# Altium PCB Reefing.PcbDoc (part 1 of 2) (continued)
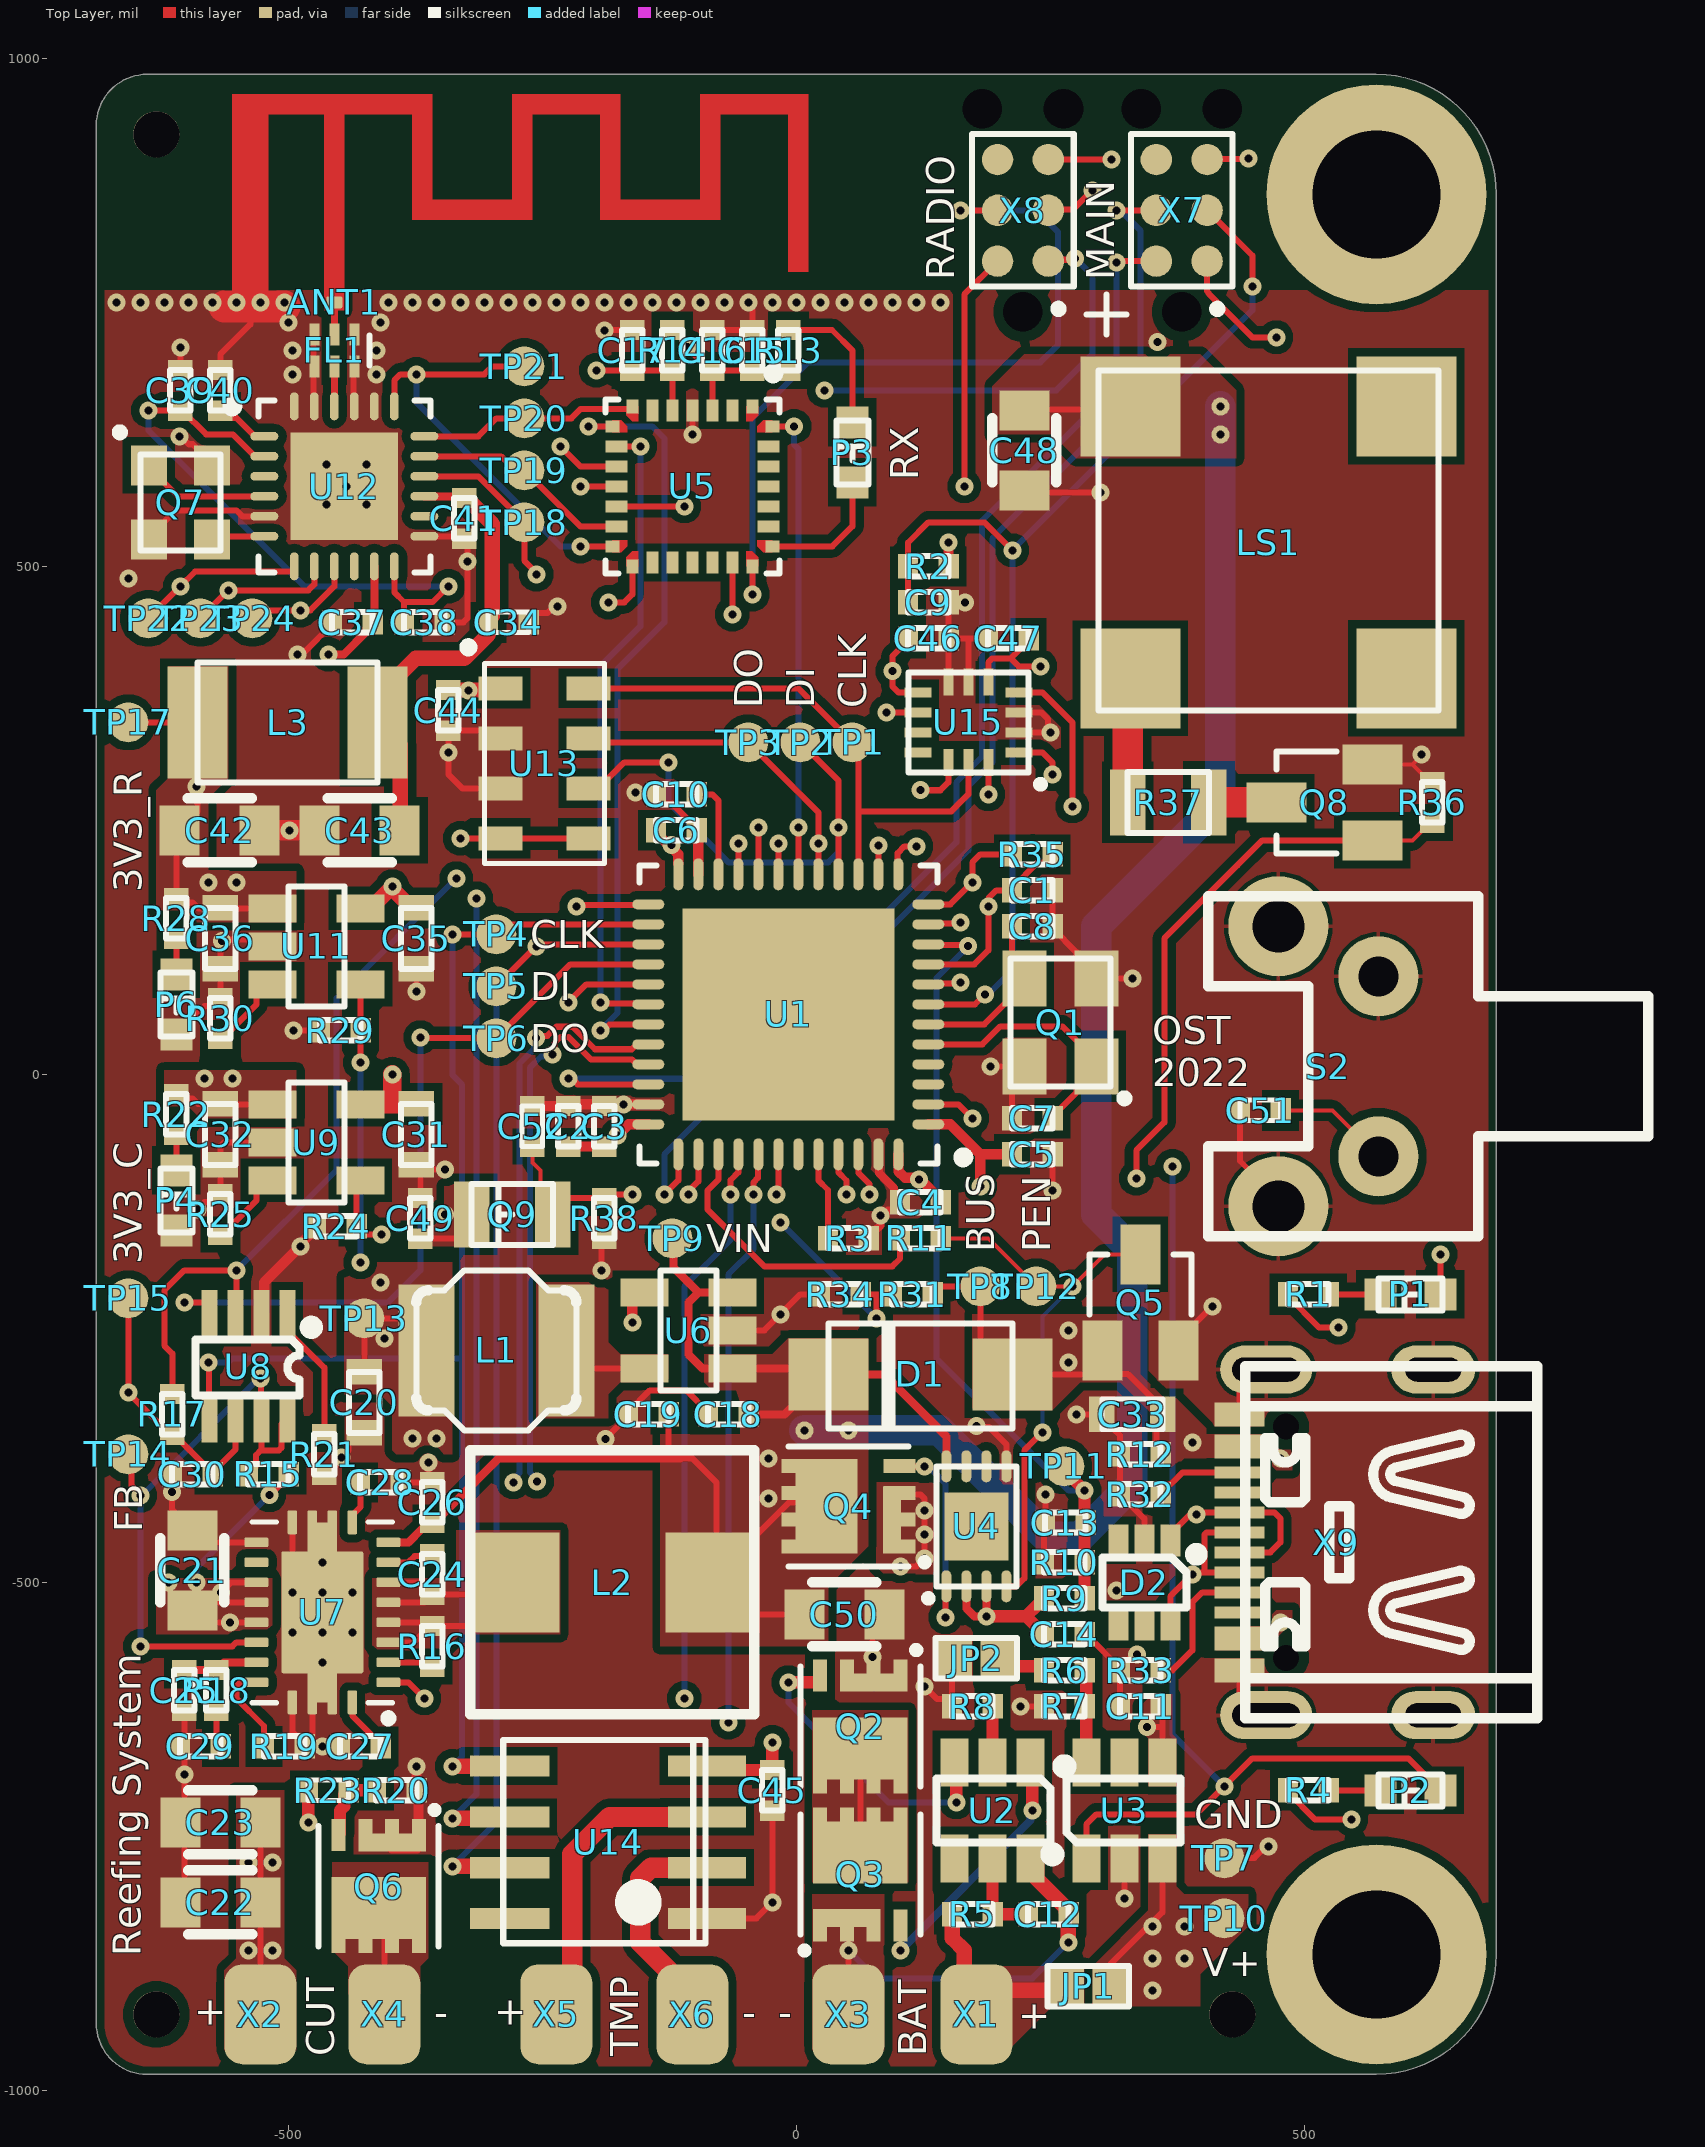
[diagram p0: Top Layer view]
## Components (designator, comment, footprint, x,y, rotation, side; value= is the part's Value field where it differs from the comment)
ANT1 "PCB Antenna" "SMD ANTENNA 2.4GHZ TI-AN043" -275.59,874.02 r0 top
C1 "1uF" "SMD Keramikkondensator 0402" 232.28,181.1 r180 top
C2 "100nF" "SMD Keramikkondensator 0402" -224.41,-51.18 r270 top
C3 "4.7uF" "SMD Keramikkondensator 0402" -188.98,-51.18 r270 top
C4 "100nF" "SMD Keramikkondensator 0402" 122.05,-125.98 r0 top
C5 "100nF" "SMD Keramikkondensator 0402" 232.28,-78.74 r180 top
C6 "100nF" "SMD Keramikkondensator 0402" -118.11,240.16 r180 top
C7 "10pF" "SMD Keramikkondensator 0402" 232.28,-43.31 r0 top
C8 "10pF" "SMD Keramikkondensator 0402" 232.28,145.67 r180 top
C9 "100nF" "SMD Keramikkondensator 0402" 129.92,464.57 r180 top
C10 "4.7uF" "SMD Keramikkondensator 0402" -118.11,275.59 r0 top
C11 "100nF" "SMD Keramikkondensator 0402" 338.58,-622.05 r0 top
C12 "100nF" "SMD Keramikkondensator 0402" 248.03,-826.77 r180 top
C13 "100nF" "SMD Keramikkondensator 0402" 264.76,-441.14 r0 top
C14 "100nF" "SMD Keramikkondensator 0402" 263.78,-551.18 r180 top
C15 "4.7uF" "SMD Keramikkondensator 0402" -43.31,712.6 r270 top
C16 "100nF" "SMD Keramikkondensator 0402" -82.68,712.6 r270 top
C17 "100nF" "SMD Keramikkondensator 0402" -161.42,712.6 r270 top
C18 "100nF" "SMD Keramikkondensator 0402" -66.93,-334.65 r0 top
C19 "2.2uF" "SMD Keramikkondensator 0402" -145.67,-334.65 r0 top
C20 "10uF" "SMD Keramikkondensator 0603" -425.2,-322.83 r90 top
C21 "22uF" "SMD KERAMIKKONDENSATOR 0805" -594.49,-488.19 r270 top
C22 "22uF" "SMD KERAMIKKONDENSATOR 0805" -566.93,-814.96 r0 top
C23 "22uF" "SMD KERAMIKKONDENSATOR 0805" -566.93,-736.22 r0 top
C24 "100nF" "SMD Keramikkondensator 0402" -358.27,-492.13 r270 top
C25 "220pF" "SMD Keramikkondensator 0402" -602.36,-606.3 r90 top
C26 "100nF" "SMD Keramikkondensator 0402" -358.27,-421.26 r270 top
C27 "2.2uF" "SMD Keramikkondensator 0402" -429.13,-661.42 r0 top
C28 "47nF" "SMD Keramikkondensator 0402" -409.45,-401.57 r180 top
C29 "2.2nF" "SMD Keramikkondensator 0402" -586.61,-661.42 r0 top
C30 "100nF" "SMD Keramikkondensator 0402" -594.49,-393.7 r0 top
C31 "10uF" "SMD Keramikkondensator 0603" -374.02,-59.06 r90 top
C32 "10uF" "SMD Keramikkondensator 0603" -566.93,-59.06 r90 top
C33 "10uF" "SMD Keramikkondensator 0603" 330.71,-334.65 r0 top
C34 "2.2uF" "SMD Keramikkondensator 0402" -283.46,444.88 r180 top
C35 "10uF" "SMD Keramikkondensator 0603" -374.02,133.86 r90 top
C36 "10uF" "SMD Keramikkondensator 0603" -566.93,133.86 r90 top
C37 "100nF" "SMD Keramikkondensator 0402" -437.01,444.88 r0 top
C38 "10nF" "SMD Keramikkondensator 0402" -366.14,444.88 r180 top
C39 "470nF" "SMD Keramikkondensator 0402" -606.3,673.23 r270 top
C40 "10nF" "SMD Keramikkondensator 0402" -566.93,673.23 r270 top
C41 "100nF" "SMD Keramikkondensator 0402" -326.77,547.24 r90 top
C42 "22nF" "SMD KERAMIKKONDENSATOR 0805" -567.56,240.16 r180 top
C43 "22nF" "SMD KERAMIKKONDENSATOR 0805" -429.76,240.16 r0 top
C44 "100nF" "SMD Keramikkondensator 0402" -342.52,358.27 r90 top
C45 "100nF" "SMD Keramikkondensator 0402" -23.62,-704.72 r90 top
C46 "100nF" "SMD Keramikkondensator 0402" 129.92,429.13 r180 top
C47 "100nF" "SMD Keramikkondensator 0402" 208.66,429.13 r0 top
C48 "22uF" "SMD KERAMIKKONDENSATOR 0805" 224.41,614.17 r90 top
C49 "100nF" "SMD Keramikkondensator 0402" -370.08,-141.73 r270 top
C50 "22uF" "SMD KERAMIKKONDENSATOR 0805" 47.24,-531.5 r180 top
C51 "10nF" "SMD Keramikkondensator 0402" 456.69,-35.43 r0 top
C52 "10nF" "SMD Keramikkondensator 0402" -259.84,-51.18 r270 top
D1 "SS54" "SMD Diode DO-214-AC" 122.05,-295.28 r0 top
D2 "PD4E1U06" "SMD IC SOT-363 (SC-70-6)" 342.52,-500 r90 top
FL1 "2450LP14A100T" "SMD Filter 2450LP14A100T" -454.72,712.6 r90 top
JP1 "Jumper" "SMD Solder Jumper 1x2mm" 287.4,-897.64 r180 top
JP2 "Jumper" "SMD Solder Jumper 1x2mm" 177.17,-574.8 r180 top
L1 "10µH" "SMD Inductor 4x4x1.8" -295.28,-271.65 r180 top
L2 "1.5µH" "SMD INDUCTOR 7.1X6.6" -181.1,-500 r180 top
L3 "100µH" "SMD Inductor 1812" -500.63,346.46 r0 top
LS1 "Buzzer" "SMD BUZZER CMT-8504" 464.57,523.62 r0 top
P1 "LED" "SMD LED 0603" 606.3,-216.54 r180 top
P2 "LED" "SMD LED 0603" 606.3,-704.72 r180 top
P3 "LED" "SMD LED 0603" 55.12,610.24 r90 top
P4 "LED" "SMD LED 0603" -610.24,-125.98 r90 top
P6 "LED" "SMD LED 0603" -610.24,66.93 r90 top
Q1 "8MHz" "SMD Crystal 3.2X2.5X0.8" 259.84,51.18 r90 top
Q2 "IRLHM630TRPBF" "SMD MOSFET DFN 3.3x3.3" 63,-641.73 r180 top
Q3 "IRLHM630TRPBF" "SMD MOSFET DFN 3.3x3.3" 62.99,-787.4 r0 top
Q4 "IRLHM630TRPBF" "SMD MOSFET DFN 3.3x3.3" 51.18,-425.2 r90 top
Q5 "2N7002K" "SMD MOSFET SOT-23" 338.58,-224.41 r270 top
Q6 "IRLHM630TRPBF" "SMD MOSFET DFN 3.3x3.3" -411.06,-799.1 r180 top
Q7 "52MHz" "SMD Crystal 2520" -606.3,562.99 r270 top
Q8 "2N7002K" "SMD MOSFET SOT-23" 519.69,267.72 r0 top
Q9 "SMD0805-20" "SMD LED 0805" -279.53,-137.8 r180 top
R1 "1.0k" "SMD Widerstand 0402" 503.94,-216.54 r180 top
R2 "47k" "SMD Widerstand 0402" 129.92,500 r0 top
R3 "47k" "SMD Widerstand 0402" 51.18,-161.42 r180 top
R4 "1.0k" "SMD Widerstand 0402" 503.94,-704.72 r180 top
R5 "330" "SMD Widerstand 0402" 173.23,-826.77 r0 top
R6 "3.9k" "SMD Widerstand 0402" 263.78,-586.61 r0 top
R7 "3.9k" "SMD Widerstand 0402" 263.78,-622.05 r0 top
R8 "2.2k" "SMD Widerstand 0402" 173.23,-622.05 r0 top
R9 "200k" "SMD Widerstand 0402" 263.78,-515.75 r180 top
R10 "470k" "SMD Widerstand 0402" 263.78,-480.31 r0 top
R11 "1.0k" "SMD Widerstand 0402" 122.05,-161.42 r180 top
R12 "47k" "SMD Widerstand 0402" 338.58,-374.02 r0 top
R13 "1.0k" "SMD Widerstand 0402" -7.87,712.6 r270 top
R14 "10k" "SMD Widerstand 0402" -122.05,712.6 r90 top
R15 "240k" "SMD Widerstand 0402" -519.68,-393.7 r0 top
R16 "240k" "SMD Widerstand 0402" -358.27,-562.99 r90 top
R17 "10k" "SMD Widerstand 0402" -614.17,-334.65 r270 top
R18 "18.7k" "SMD Widerstand 0402" -570.87,-606.3 r90 top
R19 "100k" "SMD Widerstand 0402" -503.94,-661.42 r180 top
R20 "47k" "SMD Widerstand 0402" -393.7,-704.72 r180 top
R21 "26.1k" "SMD Widerstand 0402" -464.57,-374.02 r90 top
R22 "1.0k" "SMD Widerstand 0402" -610.24,-39.37 r90 top
R23 "330" "SMD Widerstand 0402" -460.63,-704.72 r0 top
R24 "47k" "SMD Widerstand 0402" -452.76,-149.61 r0 top
R25 "6.8k" "SMD Widerstand 0402" -566.93,-137.8 r270 top
R28 "1.0k" "SMD Widerstand 0402" -610.24,153.54 r90 top
R29 "47k" "SMD Widerstand 0402" -448.82,43.31 r0 top
R30 "18.7k" "SMD Widerstand 0402" -566.93,55.12 r270 top
R31 "5.1k" "SMD Widerstand 0402" 114.17,-216.54 r180 top
R32 "5.1k" "SMD Widerstand 0402" 338.58,-413.39 r0 top
R33 "5.1k" "SMD Widerstand 0402" 338.58,-586.61 r0 top
R34 "10k" "SMD Widerstand 0402" 43.31,-216.54 r180 top
R35 "47k" "SMD Widerstand 0402" 232.28,216.54 r180 top
R36 "47k" "SMD Widerstand 0402" 625.98,267.72 r270 top
R37 "100" "SMD Widerstand 0805" 366.14,267.72 r180 top
R38 "10k" "SMD Widerstand 0402" -188.98,-141.73 r90 top
S2 "THT Button" "THT BUTTON RIGHT ANGLE" 523.62,7.87 r90 top
TP1 "X-TP" "SMD Testpoint 1mm"#1 55.12,326.77 r90 top
TP2 "X-TP" "SMD Testpoint 1mm"#1 3.94,326.77 r90 top
TP3 "X-TP" "SMD Testpoint 1mm"#1 -47.24,326.77 r90 top
TP4 "X-TP" "SMD Testpoint 1mm"#1 -295.28,137.8 r90 top
TP5 "X-TP" "SMD Testpoint 1mm"#1 -295.28,86.61 r90 top
TP6 "X-TP" "SMD Testpoint 1mm"#1 -295.28,35.43 r90 top
TP7 "X-TP" "SMD Testpoint 1mm"#1 421.26,-771.65 r90 top
TP8 "X-TP" "SMD Testpoint 1mm"#1 181.1,-208.66 r90 top
TP9 "X-TP" "SMD Testpoint 1mm"#1 -122.05,-161.42 r90 top
TP10 "X-TP" "SMD Testpoint 1mm"#1 421.26,-830.71 r90 top
TP11 "X-TP" "SMD Testpoint 1mm"#1 263.78,-385.83 r90 top
TP12 "X-TP" "SMD Testpoint 1mm"#1 236.22,-208.66 r90 top
TP13 "X-TP" "SMD Testpoint 1mm"#1 -425.2,-240.16 r90 top
TP14 "X-TP" "SMD Testpoint 1mm"#2 -657.48,-374.02 r90 top
TP15 "X-TP" "SMD Testpoint 1mm"#1 -657.48,-220.47 r90 top
TP17 "X-TP" "SMD Testpoint 1mm"#3 -653.54,346.46 r90 top
TP18 "X-TP" "SMD Testpoint 1mm"#1 -267.72,543.31 r90 top
TP19 "X-TP" "SMD Testpoint 1mm"#1 -267.72,594.49 r90 top
TP20 "X-TP" "SMD Testpoint 1mm"#1 -267.72,645.67 r90 top
TP21 "X-TP" "SMD Testpoint 1mm"#1 -267.72,696.85 r90 top
TP22 "X-TP" "SMD Testpoint 1mm"#1 -637.8,448.82 r90 top
TP23 "X-TP" "SMD Testpoint 1mm"#1 -586.61,448.82 r90 top
TP24 "X-TP" "SMD Testpoint 1mm"#1 -535.43,448.82 r90 top
U1 "STM32F411CEU6" "SMD IC QFN-48" -7.87,59.06 r90 top
U2 "NT1713C-HQBA6" "SMD IC SOT-23-6" 192.91,-724.41 r90 top
U3 "ME4055AM6G-N" "SMD IC SOT-23-6" 322.83,-724.41 r270 top
U4 "MAX16171ATA/VY+" "SMD IC TDFN-8" 177.17,-444.88 r0 top
U5 "STM32G071GBU6" "SMD IC QFN-28 4x4 0.5 Pitch" -102.36,578.74 r180 top
U6 "TPS62203DBVR" "SMD IC SOT-23-5" -106.3,-251.97 r0 top
U7 "TPS61088RHLR" "SMD IC VQFN-20" -466.54,-529.53 r90 top
U8 "MAX5400EKA+T" "SMD IC SOT-23-8" -539.37,-287.4 r270 top
U9 "MT9700" "SMD IC SOT-23-5" -472.44,-66.93 r180 top
U11 "MT9700" "SMD IC SOT-23-5" -472.44,125.98 r180 top
U12 "SX1280IMLTRT" "SMD IC QFN-24" -444.88,578.74 r0 top
U13 "MS5607-02BA03" "SMD IC BARO MS5607" -248.03,306.1 r0 top
U14 "MAX6675ISA+T" "SMD IC SOIC-8" -185.04,-755.91 r90 top
U15 "LSM6DSRTR" "SMD IC LGA-14" 169.29,346.46 r180 top
X1 "Solder Pad" "SMD Solderpad 2.5x1.8" 177.17,-925.2 r90 top
X2 "Solder Pad" "SMD Solderpad 2.5x1.8" -527.56,-925.2 r90 top
X3 "Solder Pad" "SMD Solderpad 2.5x1.8" 51.18,-925.2 r90 top
X4 "Solder Pad" "SMD Solderpad 2.5x1.8" -405.51,-925.2 r90 top
X5 "Solder Pad" "SMD Solderpad 2.5x1.8" -236.22,-925.2 r90 top
X6 "Solder Pad" "SMD Solderpad 2.5x1.8" -102.36,-925.2 r90 top
X7 "TC2030-CTX-NL" "SMD Connector TC2030" 379.33,750.39 r90 top
X8 "TC2030-CTX-NL" "SMD Connector TC2030" 223.03,750.39 r90 top
X9 "USB 2.0 Typ-C" "THT USB-C SOCKET (A40-00119)" 531.5,-460.63 r270 top

## Footprints (in the part's own frame and the unit in brackets; to place one, negate y for a bottom-side part, rotate by r counter-clockwise, add the part's x,y. Pads: shape width x height; smd on the part's side, far side on the other; paste and mask are expansions set on the pad)
"SMD ANTENNA 2.4GHZ TI-AN043" [mm]
  rrect30% 0.4x0.3 smd paste+0 mask+0.102: 1(-4.55,-2.9)
  Top Layer region: -7.1,1.8 -6.2,1.8 -6.2,-3.1 -7.1,-3.1
  Top Layer region: -4.8,1.8 -4.3,1.8 -4.3,-3.1 -4.8,-3.1
  Top Layer region: -2.1,2.3 -2.1,1.8 -7.1,1.8 -7.1,2.3
  Top Layer region: -2.6,-0.84 -2.1,-0.84 -2.1,1.8 -2.6,1.8
  Top Layer region: -0.1,-0.34 -0.1,-0.84 -2.1,-0.84 -2.1,-0.34
  Top Layer region: -0.1,-0.84 0.4,-0.84 0.4,1.8 -0.1,1.8
  Top Layer region: 2.6,2.3 2.6,1.8 -0.1,1.8 -0.1,2.3
  Top Layer region: 7.3,2.3 7.3,1.8 4.6,1.8 4.6,2.3
  Top Layer region: 2.6,-0.84 2.1,-0.84 2.1,1.8 2.6,1.8
  Top Layer region: 4.6,-0.34 4.6,-0.84 2.6,-0.84 2.6,-0.34
  Top Layer region: 5.1,-0.84 4.6,-0.84 4.6,1.8 5.1,1.8
  Top Layer region: 6.8,1.8 7.3,1.8 7.3,-2.14 6.8,-2.14
"SMD BUZZER CMT-8504" [mm]
  rect 2.5x2.5 smd: 1(-3.45,3.4) 2(-3.45,-3.4) NC(3.45,-3.4) NC(3.45,3.4)
  silkscreen extent -4.55,-4.2 4.25,6.2, body extent -4.3,-4.28 4.23,4.25, height 4
"SMD Connector TC2030" [mm]
  round 0.787 smd: 1(1.27,-0.635) 2(1.27,0.635) 3(2.54,-0.635) 4(2.54,0.635) 5(3.81,-0.635) 6(3.81,0.635)
  round 0.1 hole 0.991: NC(0,0) NC(5.08,-1.016) NC(5.08,1.016)
  silkscreen extent 0,-1.27 4.44,1.27
"SMD Crystal 3.2X2.5X0.8" [mm] "SMD_LED_RED"
  rect 1.4x1.1 smd: 1(-1.1,-0.9) 2(1.1,0.9) 3(-1.1,0.9) 3(1.1,-0.9)
  silkscreen extent -2,-1.7 1.6,1.25, body extent -1.65,-1.3 1.65,1.3, height 0.8
"SMD Crystal 2520" [mm]
  rect 1x0.9 smd: 1(-0.925,-0.787) 2(0.925,0.788) 3(-0.925,0.788) 3(0.925,-0.787)
  silkscreen extent -1.85,-1.61 1.2,1, body extent -1.25,-1 1.25,1, height 0.7
"SMD Diode DO-214-AC" [mm] "SM LED; 2 Flat Leads"
  rect 2x1.8 smd: A(2.3,0) K(-2.3,0)
  silkscreen extent -2.3,-1.36 2.3,1.27, body extent -2.8,-1.47 2.8,1.48, height 2.7
"SMD Filter 2450LP14A100T" [mm]
  rect 0.55x0.25 smd: 1(-0.4,0.5) 2(-0.4,0) 3(-0.4,-0.5) 4(0.4,-0.5) 5(0.4,0) 6(0.4,0.5)
  silkscreen extent -0.38,-0.87 0.38,-0.87, body extent -0.4,-0.8 0.4,0.8, height 0.6
"SMD IC BARO MS5607" [mm]
  rect 1.1x0.6 smd: 1(-1.1,1.875) 2(-1.1,0.625) 3(-1.1,-0.625) 4(-1.1,-1.875) 5(1.1,-1.875) 6(1.1,-0.625) 7(1.1,0.625) 8(1.1,1.875)
  silkscreen extent -2,-2.5 1.5,3, body extent -1.5,-2.5 1.5,2.5, height 1
"SMD IC LGA-14" [mm]
  rect 0.675x0.25 smd: 1(-1.262,0.75) 2(-1.262,0.25) 3(-1.262,-0.25) 4(-1.262,-0.75) 8(1.263,-0.75) 9(1.263,-0.25) 10(1.263,0.25) 11(1.263,0.75)
  rect 0.25x0.675 smd: 5(-0.5,-1.004) 6(0,-1.004) 7(0.5,-1.004) 12(0.5,1.004) 13(0,1.004) 14(-0.5,1.004)
  silkscreen extent -1.86,-1.25 1.5,1.61, body extent -1.5,-1.25 1.5,1.25, height 0.84
"SMD IC QFN-24" [mm] "QFN, 24-Leads, Body 4x4mm, Pitch 0.5mm, Thermal Pad 2.68x2.68mm, IPC Medium Density"
  rect 2.68x2.68 smd: 0(0,0)
  oval 0.7x0.22 smd: 1(-2,1.25) 2(-2,0.75) 3(-2,0.25) 4(-2,-0.25) 5(-2,-0.75) 6(-2,-1.25) 13(2,-1.25) 14(2,-0.75) 15(2,-0.25) 16(2,0.25) 17(2,0.75) 18(2,1.25)
  oval 0.22x0.7 smd: 7(-1.25,-2) 8(-0.75,-2) 9(-0.25,-2) 10(0.25,-2) 11(0.75,-2) 12(1.25,-2) 19(1.25,2) 20(0.75,2) 21(0.25,2) 22(-0.25,2) 23(-0.75,2) 24(-1.25,2)
  silkscreen extent -2.92,-2.15 2.15,2.15, body extent -2,-2 2,2, height 0.9
"SMD IC QFN-28 4x4 0.5 Pitch" [mm] "QFN, 28-Leads"
  rect 0.3x0.35 smd: 1(-1.5,-2) 7(1.5,-2) 15(1.5,2) 21(-1.5,2)
  rect 0.3x0.55 smd: 2(-1,-1.9) 3(-0.5,-1.9) 4(0,-1.9) 5(0.5,-1.9) 6(1,-1.9) 16(1,1.9) 17(0.5,1.9) 18(0,1.9) 19(-0.5,1.9) 20(-1,1.9)
  rect 0.35x0.3 smd: 8(2,-1.5) 14(2,1.5) 22(-2,1.5) 28(-2,-1.5)
  rect 0.55x0.3 smd: 9(1.9,-1) 10(1.9,-0.5) 11(1.9,0) 12(1.9,0.5) 13(1.9,1) 23(-1.9,1) 24(-1.9,0.5) 25(-1.9,0) 26(-1.9,-0.5) 27(-1.9,-1)
  Top Layer region: -2,1.35 -1.625,1.35 -1.625,1.5 -1.775,1.65 -2,1.65
  Top Layer region: -1.35,2 -1.35,1.625 -1.5,1.625 -1.65,1.775 -1.65,2
  Top Layer region: 1.35,2 1.35,1.625 1.5,1.625 1.65,1.775 1.65,2
  Top Layer region: 2,1.35 1.625,1.35 1.625,1.5 1.775,1.65 2,1.65
  Top Layer region: -1.35,-2 -1.35,-1.625 -1.5,-1.625 -1.65,-1.775 -1.65,-2
  Top Layer region: -2,-1.35 -1.625,-1.35 -1.625,-1.5 -1.775,-1.65 -2,-1.65
  Top Layer region: 1.35,-2 1.35,-1.625 1.5,-1.625 1.65,-1.775 1.65,-2
  Top Layer region: 2,-1.35 1.625,-1.35 1.625,-1.5 1.775,-1.65 2,-1.65
  silkscreen extent -2.17,-2.95 2.17,2.17, body extent -2,-2 2,2, height 0.8
"SMD IC QFN-48" [mm] "QFN, 48-Leads, Body 7x7mm, Pitch 0.5mm, IPC Medium Density"
  oval 0.25x0.8 smd: 1(-2.75,-3.5) 2(-2.25,-3.5) 3(-1.75,-3.5) 4(-1.25,-3.5) 5(-0.75,-3.5) 6(-0.25,-3.5) 7(0.25,-3.5) 8(0.75,-3.5) 9(1.25,-3.5) 10(1.75,-3.5) 11(2.25,-3.5) 12(2.75,-3.5) 25(2.75,3.5) 26(2.25,3.5) 27(1.75,3.5) 28(1.25,3.5) 29(0.75,3.5) 30(0.25,3.5) 31(-0.25,3.5) 32(-0.75,3.5) 33(-1.25,3.5) 34(-1.75,3.5) 35(-2.25,3.5) 36(-2.75,3.5)
  oval 0.8x0.25 smd: 13(3.5,-2.75) 14(3.5,-2.25) 15(3.5,-1.75) 16(3.5,-1.25) 17(3.5,-0.75) 18(3.5,-0.25) 19(3.5,0.25) 20(3.5,0.75) 21(3.5,1.25) 22(3.5,1.75) 23(3.5,2.25) 24(3.5,2.75) 37(-3.5,2.75) 38(-3.5,2.25) 39(-3.5,1.75) 40(-3.5,1.25) 41(-3.5,0.75) 42(-3.5,0.25) 43(-3.5,-0.25) 44(-3.5,-0.75) 45(-3.5,-1.25) 46(-3.5,-1.75) 47(-3.5,-2.25) 48(-3.5,-2.75)
  rect 5.3x5.3 smd: PAD(0,0)
  silkscreen extent -3.72,-4.5 3.72,3.72, body extent -3.51,-3.51 3.51,3.51, height 0.78
"SMD IC SOIC-8" [mm]
  rect 0.53x1.95 smd: 1(-1.905,-2.465) 2(-0.635,-2.465) 3(0.635,-2.465) 4(1.905,-2.465)
  rect 0.53x1.98 smd: 5(1.905,2.465) 6(0.635,2.465) 7(-0.635,2.465) 8(-1.905,2.465)
  silkscreen extent -2.52,-2.43 2.56,2.63, body extent -2.48,-3.09 2.52,3.16, height 1.75
"SMD IC SOT-23-5" [mm]
  rect 1.2x0.7 smd: 1(1.1,-0.95) 2(1.1,0) 3(1.1,0.95) 4(-1.1,0.95) 5(-1.1,-0.95)
  silkscreen extent -0.7,-1.5 0.7,1.5, body extent -1.3,-1.5 1.2,1.5, height 1.1
"SMD IC SOT-23-6" [mm] "SOT-223/SC-73; 4 Leads; Body 6.7 x 7.3 mm, inc. leads (LxW max)"
  rect 1.2x0.7 smd: 1(1.2,-0.95) 2(1.2,0) 3(1.2,0.95) 4(-1.2,0.95) 5(-1.2,0) 6(-1.2,-0.95)
  silkscreen extent -0.8,-1.9 1.2,1.4, body extent -1.4,-1.45 1.4,1.45, height 1.45
"SMD IC SOT-23-8" [mm]
  rect 1.22x0.4 smd: 1(-1.3,0.975) 2(-1.3,0.325) 3(-1.3,-0.325) 4(-1.3,-0.975) 5(1.3,-0.975) 6(1.3,-0.325) 7(1.3,0.325) 8(1.3,0.975)
  silkscreen extent -1.12,-1.33 0.73,1.72, body extent -1.5,-1.5 1.5,1.5, height 1.45
"SMD IC SOT-363 (SC-70-6)" [mm]
  rect 0.8x0.5 smd: 1(1.05,-0.65) 2(1.05,0) 3(1.05,0.65) 4(-1.05,0.65) 5(-1.05,0) 6(-1.05,-0.65)
  silkscreen extent -0.63,-1.4 0.8,1.05, body extent -1.05,-1 1.05,1, height 0.92
"SMD IC TDFN-8" [mm] "QFN, 48-Leads, Body 7x7mm, Pitch 0.5mm, IPC Medium Density"
  oval 0.25x0.8 smd: 1(-0.75,-1.5) 2(-0.25,-1.5) 3(0.25,-1.5) 4(0.75,-1.5) 5(0.75,1.5) 6(0.25,1.5) 7(-0.25,1.5) 8(-0.75,1.5)
  rect 1.6x1.7 smd: PAD(0,0)
  silkscreen extent -1.28,-1.88 1,1.5, body extent -1,-1.5 1,1.5, height 0.8
"SMD IC VQFN-20" [mm]
  rrect30% 0.6x0.24 smd: 1(-2.25,-0.75) 10(2.25,-0.75) 11(2.25,0.75) 20(-2.25,0.75) 21(-2.25,-0.25) 21(-2.25,0.25) 21(2.25,-0.25) 21(2.25,0.25)
  rrect30% 0.24x0.6 smd: 2(-1.75,-1.65) 3(-1.25,-1.65) 4(-0.75,-1.65) 5(-0.25,-1.65) 6(0.25,-1.65) 7(0.75,-1.65) 8(1.25,-1.65) 9(1.75,-1.65) 12(1.75,1.65) 13(1.25,1.65) 14(0.75,1.65) 15(0.25,1.65) 16(-0.25,1.65) 17(-0.75,1.65) 18(-1.25,1.65) 19(-1.75,1.65)
  rrect30% 1x0.74 smd: 21(-1.75,0) 21(1.75,0)
  rrect5% 3.05x2.05 smd: 21(0,0)
  silkscreen extent -2.72,-1.75 2.26,1.75, body extent -2.25,-1.75 2.25,1.75, height 0.97
"SMD Inductor 4x4x1.8" [mm]
  rect 1.4x3.3 smd: 1(-1.75,0) 2(1.75,0)
  silkscreen extent -2,-2 2,2, body extent -2,-2 2,2, height 1.65
"SMD INDUCTOR 7.1X6.6" [mm]
  rect 2.35x2.5 smd: 1(-2.5,0) 2(2.5,0)
  silkscreen extent -3.55,-3.3 3.55,3.3, body extent -3.7,-3.3 3.7,3.3, height 3
"SMD Inductor 1812" [mm]
  rect 1.5x2.8 smd: 1(-2.25,0) 2(2.25,0)
  silkscreen extent -2.25,-1.5 2.25,1.5, body extent -2.25,-1.6 2.25,1.6, height 3.2
"SMD Keramikkondensator 0402" [mil]
  rect 20x24 smd: 1(-20,0) 2(20,0)
  silkscreen extent -20,-10 20,10, body extent -20,-10 20,10, height 20
"SMD Keramikkondensator 0603" [mil]
  rect 25x35 smd: 1(-30,0) 2(30,0)
  silkscreen extent -30,-15 30,15, body extent -31,-16 32,16, height 32
"SMD KERAMIKKONDENSATOR 0805" [mm]
  rect 1x1.25 smd: 1(-1,0) 2(1,0)
  silkscreen extent -0.8,-0.8 0.8,0.8, body extent -1,-0.62 1,0.63, height 0.78
"SMD LED 0603" [mm] "SMD_LED_RED"
  rect 0.8x0.8 smd: A(0.8,0) K(-0.7,0)
  silkscreen extent -0.75,-0.4 0.85,0.4, body extent -0.79,-0.36 0.86,0.37, height 0.68
"SMD LED 0805" [mil]
  rect 35x65 smd: A(40,0) K(-40,0)
  silkscreen extent -40,-30 40,30, body extent -39,-25 39,25, height 31
"SMD MOSFET DFN 3.3x3.3" [mm]
  rect 0.35x0.8 smd: D(-1.005,1.275) D(-0.335,1.275) D(0.335,1.275) D(1.005,1.275) G(1.005,-1.275) S(-1.005,-1.275) S(-0.335,-1.275) S(0.335,-1.275)
  rect 2.36x1.55 smd: D(0,0.55)
  rect 1.68x0.45 smd: S(-0.341,-1.097)
  silkscreen extent -1.5,-1.96 1.5,1.5, body extent -1.65,-1.66 1.65,1.66, height 0.75
"SMD MOSFET SOT-23" [mm]
  rect 1.5x1 smd: D(-1.2,0) G(1.2,-0.95) S(1.2,0.95)
  silkscreen extent -1.2,-1.28 0.3,1.27, body extent -1.2,-1.5 1.3,1.5, height 1.1
"SMD Solder Jumper 1x2mm" [mm] "SOT-223/SC-73; 4 Leads; Body 6.7 x 7.3 mm, inc. leads (LxW max)"
  rect 0.9x0.9 smd: 1(-0.559,0) 2(0.559,0)
  silkscreen extent -1.02,-0.51 1.02,0.51
"SMD Solderpad 2.5x1.8" [mm]
  rrect50% 2.5x1.8 smd: 1(0,0)
  body extent -0.02,-0.03 0.03,0.03
"SMD Testpoint 1mm"#1 [mm]
  round 1 smd paste+0: 1(0,0)
"SMD Testpoint 1mm"#2 [mm]
  round 1 smd mask+0.075: 1(0,0)
"SMD Testpoint 1mm"#3 [mm]
  round 1 smd paste+0: 1(0,0.1)
"SMD Widerstand 0402" [mil]
  rect 20x24 smd: 1(-20,0) 2(20,0)
  silkscreen extent -20,-10 20,10, body extent -20,-10 20,10, height 14
"SMD Widerstand 0805" [mil]
  rect 35x65 smd: 1(-40,0) 2(40,0)
  silkscreen extent -40,-30 40,30, body extent -45,-27 45,27, height 30
"THT BUTTON RIGHT ANGLE" [mm]
  round 2.5 hole 1.3: 1(-3.5,1.25) 1(3.5,1.25)
  round 2 hole 1: 2(-2.25,-1.25) 3(2.25,-1.25)
  silkscreen extent -4.25,-8 4.25,3, body extent -4.2,-9.6 4.21,2.75, height 7.06
"THT USB-C SOCKET (A40-00119)" [mm]
  rect 0.6x1.25 smd: A1B12(3.2,-2.425) A4B9(2.4,-2.425) B1A12(-3.2,-2.425) B4A9(-2.4,-2.425)
  rect 0.3x1.25 smd: A5(1.25,-2.425) A6(0.25,-2.425) A7(-0.25,-2.425) A8(-1.25,-2.425) B5(-1.75,-2.425) B6(-0.75,-2.425) B7(0.75,-2.425) B8(1.75,-2.425)
  oval 1.2x2.1 hole 0.6 slot 1.4 at 90 deg: G1(4.32,2.425) G3(-4.32,2.425)
  oval 1.2x2.3 hole 0.6 slot 1.7 at 90 deg: G2(4.32,-1.755) G4(-4.32,-1.755)
  round 0 hole 0.65 unplated: NC(-2.89,-1.255) NC(2.89,-1.255)
  silkscreen extent -4.4,-2.27 4.4,5.03, body extent -4.48,-2.8 4.48,4.95, height 3.26

## Part data
ANT1: library part "ANT-PCB 2.4GHz TI-AN043", "Small Size 2.4 GHz PCB antenna", ComponentLink1Description=Datasheet, ComponentLink1URL=https://www.ti.com/lit/an/swra117d/swra117d.pdf?ts=1645439751186&ref_url=https%253A%252F%252Fwww.google.com%252F, Unit Price=0.00
C1: library part "E6 - 1uF", "SMD Ceramic Capacitor E6", JLC=C52923, Unit Price=0.01
C2 C4 C5 C6 C9 C11 C12 C13 C14 C16 C17 C18 C24 C26 C30 C37 C41 C44 C45 C46 C47 C49: library part "E6 - 100nF", "SMD Ceramic Capacitor E6", JLC=C307331, Unit Price=0.01
C3 C10 C15: library part "E6 - 4.7uF", "SMD Ceramic Capacitor E6", JLC=C23733, Unit Price=0.01
C7 C8: library part "E6 - 10pF", "SMD Ceramic Capacitor E6", JLC=C32949, Unit Price=0.01
C19 C27 C34: library part "E6 - 2.2uF", "SMD Ceramic Capacitor E6", JLC=C193620, Unit Price=0.01
C20 C31 C32 C33 C35 C36: library part "E6 - 10uF", "SMD Ceramic Capacitor E6", JLC=C70225, Unit Price=0.01
C21 C22 C23 C48 C50: library part "E6 - 22uF", "SMD Ceramic Capacitor E6", JLC=C45783, Unit Price=0.01
C25: library part "E6 - 220pF", "SMD Ceramic Capacitor E6", JLC=C1530, Unit Price=0.01
C28: library part "E6 - 47nF", "SMD Ceramic Capacitor E6", JLC=C338148, Unit Price=0.01
C29: library part "E6 - 2.2nF", "SMD Ceramic Capacitor E6", JLC=C1531, Unit Price=0.01
C38 C40 C51 C52: library part "E6 - 10nF", "SMD Ceramic Capacitor E6", JLC=C15195, Unit Price=0.01
C39: library part "E6 - 470nF", "SMD Ceramic Capacitor E6", JLC=C47339, Unit Price=0.01
C42 C43: library part "E6 - 22nF", "SMD Ceramic Capacitor E6", JLC=C1729, Unit Price=0.01
D1: "40V 5A 550mV @ 5A SMA(DO-214AC) Schottky Barrier Diodes (SBD) ROHS", JLC=C22452, ComponentLink1Description=Datasheet, ComponentLink1URL=https://datasheet.lcsc.com/lcsc/1810192041_MDD%EF%BC%88Microdiode-Electronics%EF%BC%89-SS54_C22452.pdf, Unit Price=0.07
D2: library part PD4E1U06DCKR, "Unidirectional 3A (8/20us) 15V (Typ) 6.5V 5.5V (Max) SOT-363 ESD Protection Devices ROHS", JLC=C194628, ComponentLink1Description=Datasheet, ComponentLink1URL=https://datasheet.lcsc.com/lcsc/1810172210_Texas-Instruments-TPD4E1U06DCKR_C194628.pdf, Digikey=296-39347-1-ND, Farnell=3116516, Mouser=595-TPD4E1U06DCKR, Unit Price=0.12
FL1: "2.45GHz Center Frequency Low Pass RF Filter (Radio Frequency) 100MHz Bandwidth 0.5dB 0603 (1608 Metric), 6 PC Pad", ComponentLink1Description=Datasheet, ComponentLink1URL=https://www.johansontechnology.com/datasheets/2450LP14A100/2450LP14A100.pdf, Digikey=712-1129-2-ND
JP1 JP2: library part Jumper-1, "Single Position Jumper", Unit Price=0.00
L1: library part "Inductor 10µH / 1.6A", "165mOhm SMD, 1.6A", JLC=C135263, ComponentLink1Description=Datasheet, ComponentLink1URL=https://datasheet.lcsc.com/lcsc/2108131530_SXN-Shun-Xiang-Nuo-Elec-SMNR4020-10UH_C135263.pdf, Unit Price=0.07
L2: library part "Inductor 1.5µH / 10A", "8.5mΩ SMD, 7.1x6.6x5mm", JLC=C149579, ComponentLink1Description=Datasheet, ComponentLink1URL=https://datasheet.lcsc.com/lcsc/2108131730_SXN-Shun-Xiang-Nuo-Elec-SMMS0650-1R5M_C149579.pdf, Unit Price=0.19
L3: library part "Inductor 100µH / 0.25A", "0.25A 100µH ±20% 144mΩ SMD Power Inductors", JLC=C76822, ComponentLink1Description=Datasheet, ComponentLink1URL=https://datasheet.lcsc.com/lcsc/2110081330_Sunlord-SPH252012H3R3MT_C98379.pdf, Unit Price=0.19
LS1: "Buzzers Indicator, Internally Driven Piezo 12V 10mA 3kHz 100dB @ 12V, 10cm Through Hole PC Pins", JLC=C255315, ComponentLink1Description=Datasheet, ComponentLink1URL=https://dbunlimitedco.com/images/product_images/2D-Drawings/IP303012-1.pdf, Unit Price=0.59
P1: "Color LED", JLC=C72041
P2 P4 P6: "Color LED", JLC=C2286
P3: "Color LED", JLC=C72043
Q1: library part Crystal, "SMD Crystal Resonators 8MHz ±10ppm SMD,3.2x2.5mm", JLC=C2682775, Digikey=535-15255-1-ND, Unit Price=0.24
Q2 Q3 Q4 Q6: "N-Channel 30V 21A 3.5mOhm@4.5V", JLC=C148139, ComponentLink1Description=Datasheet, ComponentLink1URL=https://datasheet.lcsc.com/lcsc/1808281623_Infineon-Technologies-IRLHM630TRPBF_C148139.pdf, Unit Price=0.76
Q5 Q8: "MOSFET N-Channel 60V / 500mA", JLC=C414015, ComponentLink1Description=Datasheet, ComponentLink1URL=https://www.onsemi.com/pub/Collateral/NDS7002A-D.PDF, Digikey=2N7002NCT-ND, Unit Price=0.32
Q7: library part "Crystal 52MHz - 2520", "52Mhz Ceramic 2.5 x 2.0mm SMD 10pF 60Ω ±10ppm", JLC=C963550, ComponentLink1Description=Datasheet, ComponentLink1URL=https://datasheet.lcsc.com/lcsc/2012211835_WTL-WTL2M75523TW_C963550.pdf, Unit Price=0.39
Q9: JLC=C250858, ComponentLink1Description=Datasheet, ComponentLink1URL=https://datasheet.lcsc.com/lcsc/1809172049_Senba-Sensing-Tech-SMD0805-20_C250858.pdf, Unit Price=0.11
R1 R4 R11 R13 R22 R28: library part "E24 - 1.0k", "SMD Chip Resistor E24", JLC=C11702, Unit Price=0.01
R2 R3 R12 R20 R24 R29 R35 R36: library part "E24 - 47k", "SMD Chip Resistor E24", JLC=C25792, Unit Price=0.01
R5 R23: library part "E24 - 330", "SMD Chip Resistor E24", JLC=C25104, Unit Price=0.01
R6 R7: library part "E24 - 3.9k", "SMD Chip Resistor E24", JLC=C51721, Unit Price=0.01
R8: library part "E24 - 2.2k", "SMD Chip Resistor E24", JLC=C25879, Number=-, Supplier=-, Unit Price=0.01
R9: library part "E24 - 200k", "SMD Chip Resistor E24", JLC=C25764, Unit Price=0.01
R10: library part "E24 - 470k", "SMD Chip Resistor E24", JLC=C25790, Unit Price=0.01
R14 R17 R34 R38: library part "E24 - 10k", "SMD Chip Resistor E24", JLC=C25744, Unit Price=0.01
R15 R16: library part "E24 - 240k", "SMD Chip Resistor E24", JLC=C64043, Unit Price=0.01
R18 R30: library part "E96 - 18.7k", "SMD Chip Resistor E96", JLC=C11476, Unit Price=0.01
R19: library part "E24 - 100k", "SMD Chip Resistor E24", JLC=C25741, Unit Price=0.01
R21: library part "E96 - 26.1k", "SMD Chip Resistor E96", JLC=C407739, Unit Price=0.01
R25: library part "E24 - 6.8k", "SMD Chip Resistor E24", JLC=C25917, Unit Price=0.01
R31 R32 R33: library part "E24 - 5.1k", "SMD Chip Resistor E24", JLC=C25905, Unit Price=0.01
R37: library part "E24 - 100", "SMD Chip Resistor E24", JLC=C515718, Unit Price=0.01
S2: library part "Button SPST-NO Right Angle", "Tactile Switch SPST-NO Side Actuated Through Hole, Right Angle", ComponentLink1Description=Datasheet, ComponentLink1URL=https://www.te.com/commerce/DocumentDelivery/DDEController?Action=srchrtrv&DocNm=1825027&DocType=Customer+Drawing&DocLang=English, Digikey=A109320-ND, Digikey Alt=450-1660-ND, Unit Price=0.35
TP1 TP2 TP3 TP4 TP5 TP6 TP7 TP8 TP9 TP10 TP11 TP12 TP13 TP14 TP15 TP17 TP18 TP19 TP20 TP21 TP22 TP23 TP24: "Testpunkt", Unit Price=0.00
U1: "ARM® Cortex®-M4 series Microcontroller IC 32-Bit 100MHz 512KB (512K x 8) FLASH 48-UFQFPN (7x7)", JLC=C60420, ComponentLink1Description=Datasheet, ComponentLink1URL=https://datasheet.lcsc.com/lcsc/1809291612_STMicroelectronics-STM32F411CEU6_C60420.pdf, Digikey=497-14907-ND, Unit Price=7.10
U2: "Protection IC for 1-Cell Battery Pack", JLC=C596363, ComponentLink1Description=Datasheet, ComponentLink1URL=https://datasheet.lcsc.com/lcsc/2006171818_NEOTEC-NT1713C-HQBA6_C596363.pdf, Unit Price=0.07
U3: "800mA Lithium Ion Battery Linear Charger", JLC=C82121, ComponentLink1Description=Datasheet, ComponentLink1URL=https://datasheet.lcsc.com/lcsc/1809291612_MICRONE-Nanjing-Micro-One-Elec-ME4055AM6G-N_C82121.pdf, Unit Price=0.10
U4: "OR Controller N+1 ORing Controller N-Channel 1:1 8-TDFN-CU (2x3)", ComponentLink1Description=Datasheet, ComponentLink1URL=https://datasheets.maximintegrated.com/en/ds/MAX16171.pdf, Digikey=175-MAX16171ATA/VY+-ND, Unit Price=2.14
U5: "ARM® Cortex®-M0+ series Microcontroller IC 32-Bit 64MHz 128KB (128K x 8) FLASH 28-UFQFPN (4x4)", JLC=C529347, ComponentLink1Description=Datasheet, ComponentLink1URL=https://media.digikey.com/pdf/Data%20Sheets/ST%20Microelectronics%20PDFS/STM32G071_Rev1_DS.pdf, Digikey=497-18343-ND, Unit Price=4.07
U6: "High-Efficiency Synchronous Step-Down / synchronous step-down converters ideally suited for Converter 3.3V", JLC=C9051, ComponentLink1Description=Datasheet, ComponentLink1URL=https://www.ti.com/lit/ds/symlink/tps62203.pdf?HQS=dis-mous-null-mousermode-dsf-pf-null-wwe&ts=1645451444570&ref_url=https%253A%252F%252Fwww.mouser.ch%252F, Unit Price=1.03
U7: "10-A Fully-Integrated Synchronous Boost Converter", JLC=C87357, ComponentLink1Description=Datasheet, ComponentLink1URL=https://www.ti.com/lit/ds/symlink/tps61088.pdf?HQS=dis-mous-null-mousermode-dsf-pf-null-wwe&ts=1645456492039&ref_url=https%253A%252F%252Fwww.mouser.ch%252F, Unit Price=2.57
U8: "Low-Drift Digital Potentiometer", JLC=C516784, ComponentLink1Description=Datasheet, ComponentLink1URL=https://datasheet.lcsc.com/lcsc/2105241240_Maxim-Integrated-MAX5400EKA-T_C516784.pdf, Unit Price=1.99
U9 U11: "Power Distribution Switch", JLC=C89855, ComponentLink1Description=Datasheet, ComponentLink1URL=https://datasheet.lcsc.com/lcsc/1809291208_XI-AN-Aerosemi-Tech-MT9700_C89855.pdf, Unit Price=0.11
U12: "Long Range, Low Power, 2.4 GHz / Transceiver with Ranging Capability", JLC=C125969, ComponentLink1Description=Datasheet, ComponentLink1URL=https://media.digikey.com/pdf/Data%20Sheets/Semtech%20PDFs/SX1280-81_Rev3.2_Mar2020.pdf, Digikey=SX1280IMLTRTCT-ND, Unit Price=3.20
U13: "Barometric Pressure Sensor, with stainless / steel cap", ComponentLink1Description=Datasheet, ComponentLink1URL=https://www.te.com/commerce/DocumentDelivery/DDEController?Action=srchrtrv&DocNm=MS5607-02BA03&DocType=Data+Sheet&DocLang=English, Digikey=223-1198-1-ND, Unit Price=5.63
U14: "Cold-Junction-Compensated K-Thermocoupleto-Digital Converter", JLC=C16030, ComponentLink1Description=Datasheet, ComponentLink1URL=https://datasheet.lcsc.com/lcsc/1810181421_Maxim-Integrated-MAX6675ISA-T_C16030.pdf, Unit Price=2.95
U15: "Accelerometer, Gyroscope, Temperature, 6 Axis Sensor I²C, SPI Output", JLC=C784817, ComponentLink1Description=Datasheet, ComponentLink1URL=https://datasheet.lcsc.com/lcsc/2201131130_STMicroelectronics-LSM6DSRTR_C784817.pdf, Unit Price=4.88
X1 X2 X3 X4 X5 X6: library part X-PAD-MEDIUM, "Medium SMD Pad", Unit Price=0.00
X7 X8: "Tag-Connect for ARM-Cortex (6-Pin)", Unit Price=0.00
X9: library part "USB Type-C USB 2.0", "Typ-C", JLC=C167321, Digikey=2073-USB4105-GF-ACT-ND, Farnell=3583366, Unit Price=0.36

## Free pads (board coordinates)
  round 45.35 hole 45.35 unplated paste+45.35 mask+5.83: NC(-629.92,-925.2) NC(-629.92,925.2) NC(429.13,-925.2)
  round 216.54 hole 125.98: NC(570.87,-866.14)
  round 216.54 hole 125.98 unplated: NC(570.87,866.14)

## Via types
v1: diameter 17.72, hole 7.87, Top Layer to Bottom Layer, tented both sides, 258 vias
v2: diameter 17.72, hole 7.87, Top Layer to Bottom Layer, 8 vias

## Nets (pads, with @x,y where several pads share a name; then routed paths per layer and width w, separated by ;. In a path a pad name is that pad's centre, name@x,y a point inside that pad or via, vN(x,y) a via of type N, cw(c..) or ccw(c..) an arc to the next point about the centre after c; other vN are vias at no path point)
3V3: C1.2 C2.2 C3.2 C4.2 C5.2 C6.2 C20.2 C31.2 C35.2 C44.2 C46.2 C47.2 L1.2 R1.2 R2.2 R4.2 R35.1 TP13.1 U1.1 U1.9 U1.24 U1.36 U1.48 U6.4 U9.5 U11.5 U13.1 U15.5 U15.8 X7.1 | length 1363.1
  Top Layer w6: C20.2@-425.2,-292.83 TP13.1@-425.2,-240.16 -389.73,-240.16 -364.17,-265.72 L1.2@-364.17,-271.65 ; U13.1@-292.99,378.27 U13.1@-291.34,379.92 ; C46.2@109.92,429.13 109.92,427.13 94.49,411.7 94.49,381.89 100.39,375.99 U15.8@119.59,375.99 ; U1.9@129.92,108.27 175.2,108.27 188.98,122.05 188.98,173.23 196.85,181.1 C1.2@212.28,181.1 212.28,183.1 237.84,208.66 246.41,208.66 252.28,214.54 R35.1@252.28,216.54 ; U15.5@188.98,385.99 188.98,405.51 192.91,409.45 210.98,409.45 ; C47.2@228.66,429.13 228.66,427.13 210.98,409.45 ; v1(240.16,401.57) 218.85,401.57 210.98,409.45 ; X7.1@404.33,800.39 404.33,770.93 cw(c379.33,750.39) 406.91,767.3 407.39,766.82 448.82,725.39 v1(472.44,725.39) ; R4.2@483.94,-704.72 483.94,-706.72 510.48,-733.27 v1(546.26,-733.27) ; R1.2@483.94,-216.54 483.94,-218.54 514.42,-249.02 v1(533.46,-249.02)
  Top Layer w10: C2.2@-224.41,-71.18 C3.2@-188.98,-71.18 -186.98,-71.18 -165.01,-49.21 U1.36@-145.67,-49.21 ; v1(-161.42,-244.09) -161.42,-223.35 -152.64,-214.57 U6.4@-149.61,-214.57 ; C6.2@-138.11,240.16 -138.11,238.16 -126.95,227 -124.41,227 v1(-122.94,225.52) ; v1@-122.94,224.04 -122.94,223.43 -116.22,216.72 U1.24@-116.22,207.6 ; U1.48@100.39,-78.74 100.39,-89.41 100.47,-89.49 100.47,-95.39 106.96,-101.88 119.46,-101.88 v1(120.94,-103.35) ; v1@120.33,-101.24 137.05,-117.96 137.05,-120.98 C4.2@142.05,-125.98 ; U1.1@129.92,-49.21 151.57,-49.21 181.1,-78.74 ; v1(149.61,523.62) 149.92,523.31 R2.2@149.92,500 ; v1(181.1,-110.24) 181.1,-78.74 ; C5.2@212.28,-78.74 181.1,-78.74
  Top Layer w15: U11.5@-429.13,163.39 -419.29,163.39 v1(-397.64,185.04) ; v1@-394.12,178.97 -379.02,163.86 C35.2@-374.02,163.86 ; C44.2@-342.52,378.27 U13.1@-292.99,378.27
  Top Layer w18: U9.5@-429.13,-29.53 -397.64,-29.53 ; v1(-397.64,0) -397.64,-29.53 ; C31.2@-374.02,-29.06 -374.49,-29.53 -397.64,-29.53
  other v1: -377.95,-358.27 -354.33,-358.27 -405.51,-259.84 -409.45,-204.72 -175.99,-60.2 188.98,165.35 -322.83,377.95 94.49,396.8
3V3_CUT: C30.2 C32.2 C45.2 C49.2 Q9.A R17.2 R22.2 TP15.1 U8.6 U9.1 U14.4 | length 536.7
  Top Layer w6: -657.48,-240.16 v1(-657.48,-313.34) -616.17,-354.65 R17.2@-614.17,-354.65 -612.17,-354.65 -583.12,-383.7 -582.49,-383.7 C30.2@-574.49,-391.7 ; R22.2@-610.24,-19.37 -605.98,-23.62 -594.49,-23.62 -589.06,-29.06 C32.2@-566.93,-29.06 -566.46,-29.53 U9.1@-515.75,-29.53 ; C30.2@-574.49,-393.7 C30.2@-574.49,-391.7 ; U8.6@-552.17,-338.58 -552.17,-369.38 C30.2@-574.49,-391.7 ; C49.2@-370.08,-161.73 -335.03,-161.73 -319.53,-146.23 Q9.A@-319.53,-137.8 -319.87,-138.14 v1(-345.79,-138.14) ; U14.4@-87.99,-680.91 U14.4@-84.17,-684.72
  Top Layer w12: U14.4@-84.17,-684.72 C45.2@-23.62,-684.72 v1(-23.62,-657.48)
  other v1: -582.68,-3.94 -555.12,-3.94
3V3_RADIO: C15.2 C16.2 C36.2 C37.2 C42.2 L3.1 R13.2 R14.2 R28.2 TP17.1 U5.3 U11.1 U12.11 X8.1 | length 1038.9
  Top Layer w6: TP17.1@-653.54,346.46 L3.1@-589.21,346.46 -589.21,258.5 -607.56,240.16 -610.24,237.48 R28.2@-610.24,173.54 -605.98,169.29 -594.49,169.29 -590.55,165.35 ; -590.54,165.34 -588.58,163.39 U11.1@-515.75,163.39 ; C37.2@-417.01,444.88 C37.2@-415.35,446.54 ; R14.2@-122.05,732.6 -120.05,732.6 -109.16,721.71 -109.16,717.08 -84.68,692.6 C16.2@-82.68,692.6 ; U5.3@-82.68,653.54 C16.2@-82.68,692.6 ; R13.2@-7.87,692.6 C15.2@-43.31,692.6 C16.2@-82.68,692.6 ; X8.1@248.03,800.39 249.41,801.77 273.1,801.77 v1(274.48,803.15)
  Top Layer w8: v1(-460.63,413.39) -445.44,413.39 -423.01,435.82 -423.01,438.88 C37.2@-417.01,444.88 ; C37.2@-415.35,446.54 U12.11@-415.35,500
  Bottom Layer w6: v1(27.56,673.23) 255.91,673.23 291.34,708.66 291.34,786.29 v1(274.48,803.15)
  other v1: -578.74,188.98 -551.18,188.98 -590.55,283.46 -106.92,716.1
3V3A_RADIO: C34.2 C41.2 C43.2 L3.2 U12.15 | length 463.9
  Top Layer w8: U12.15@-366.14,568.9 C41.2@-328.43,568.9
  Top Layer w15: C43.2@-389.76,240.16 -389.76,324.17 L3.2@-412.05,346.46 -412.05,372.05 -374.65,409.45 -326.77,409.45 -303.15,433.07 C34.2@-303.15,444.88 ; C41.2@-328.43,568.9 -324.27,564.74 -322.27,564.74 -299.21,541.68 -299.21,451.13 -300.96,449.38 -300.96,447.38 C34.2@-303.46,444.88
BARO_CS: U1.19 U13.4 U13.5 | length 490
  Top Layer w6: v1(-330.71,232.28) U13.4@-291.34,232.28 U13.5@-204.72,232.28 ; U1.19@-17.72,196.85 v1(-17.72,227.36) v1@-17.72,230.32
  Mid Layer 2 (SIG) w6: v1(-330.71,232.28) -307.09,208.66 -36.42,208.66 v1(-17.72,227.36)
BGND: C12.1 Q3.S U2.6 X3.1 | length 423.3
  Top Layer w6: Q3.S@49.81,-831.69 51.18,-833.06 v1(51.18,-862.2) X3.1@51.18,-913.39
  Top Layer w15: U2.6@230.32,-771.65 236.59,-777.93 236.59,-791.71 265.53,-820.65 265.53,-824.27 C12.1@268.03,-826.77 267.72,-827.09 v1(267.72,-854.33)
  Bottom Layer w6: v1(51.18,-862.2) 78.74,-889.76 232.28,-889.76 v1(267.72,-854.33)
BUSY: TP22.1 U5.15 U12.7 | length 673.9
  Top Layer w6: TP22.1@-637.8,448.82 v1(-606.3,480.32) -591.83,494.78 -494.09,494.78 U12.7@-494.09,500 ; v1(-185.04,464.57) -169.29,464.57 -161.42,472.44 U5.15@-161.42,500
  Mid Layer 2 (SIG) w6: v1(-606.3,480.32) -561.88,435.9 -213.71,435.9 v1(-185.04,464.57)
BUTTON: C51.2 R35.2 S2.2 U1.12 | length 740.5
  Top Layer w4: C51.2@476.69,-35.43 527.56,-35.43 S2.2@572.83,-80.71
  Top Layer w6: U1.12@129.92,167.32 151.57,167.32 v1(173.23,188.98) 173.23,208.66 181.1,216.54 R35.2@212.28,216.54
  Mid Layer 2 (SIG) w6: v1(173.23,188.98) 303.15,188.98 S2.2@572.83,-80.71
BUZZER: Q8.G R36.2 U1.42 | length 972.3
  Top Layer w4: Q8.G@566.93,230.31 606.58,230.31 623.98,247.72 R36.2@625.98,247.72
  Top Layer w6: v1(-19.37,-118.11) -17.72,-116.46 U1.42@-17.72,-78.74 ; v1(334.65,-102.36) 334.65,-74.8 362.21,-47.24 362.21,133.86 434.05,205.71 458.66,230.31 Q8.G@566.93,230.31
  Mid Layer 2 (SIG) w6: v1(-19.37,-118.11) 12.25,-86.49 318.78,-86.49 v1(334.65,-102.36)
CHRG: P2.K U1.38 U3.1 | length 1597.7
  Top Layer w6: v1(-106.19,-118.22) -106.19,-115.05 -96.46,-105.32 U1.38@-96.46,-78.74 ; U3.1@285.43,-771.65 285.43,-738.19 295.28,-728.35 393.7,-728.35 v1(421.26,-700.79) 448.82,-673.23 602.36,-673.23 P2.K@633.86,-704.72
  Mid Layer 2 (SIG) w6: v1(-106.19,-118.22) -62.77,-74.8 354.33,-74.8 v1(370.19,-90.66)
  Bottom Layer w6: v1(370.19,-90.66) 370.08,-90.77 370.08,-649.61 v1(421.26,-700.79)
CS: TP21.1 U5.14 U12.19 | length 438.4
  Top Layer w6: U12.19@-395.67,657.48 -395.67,683.07 -389.76,688.98 v1(-374.02,688.98) -307.09,688.98 -299.21,696.85 TP21.1@-267.72,696.85 ; v1(-212.6,519.68) U5.14@-181.1,519.69
  Bottom Layer w6: v1(-374.02,688.98) -374.02,661.42 -232.28,519.68 v1(-212.6,519.68)
CUT_EN: R23.1 U1.41 | length 1057.1
  Top Layer w6: R23.1@-480.63,-704.72 R23.1@-480.32,-705.04 ; v1(-42.09,-118.11) -42.09,-106.3 -37.78,-101.99 -37.78,-79.11 U1.41@-37.4,-78.74
  Top Layer w12: v1(-480.32,-736.22) R23.1@-480.32,-705.04
  Mid Layer 2 (SIG) w6: v1(-480.32,-736.22) -448.82,-704.72 -133.86,-704.72 v1(-66.93,-637.8)
  Bottom Layer w6: v1(-66.93,-637.8) -66.93,-196.85 -42.09,-172.01 v1(-42.09,-118.11)
DCDC_EN: U1.40 U7.2 | length 855.3
  Top Layer w6: U7.2@-401.57,-598.43 -381.89,-598.43 v1(-366.14,-614.17) ; v1(-64.8,-118.11) -64.8,-104.17 -57.09,-96.46 U1.40@-57.09,-78.74
  Mid Layer 2 (SIG) w6: v1(-366.14,-614.17) v1(-110.24,-614.17)
  Bottom Layer w6: v1(-110.24,-614.17) -110.24,-208.66 -64.8,-163.23 v1(-64.8,-118.11)
DIO1: TP23.1 U5.11 U12.8 | length 568.1
  Top Layer w6: TP23.1@-586.61,448.82 v1(-559.06,476.38) -480.31,476.38 -474.41,482.28 U12.8@-474.41,500 ; v1(-212.6,578.74) U5.11@-177.17,578.74
  Mid Layer 2 (SIG) w6: v1(-559.06,476.38) -384.84,476.38 -282.48,578.74 v1(-212.6,578.74)
DIO2: TP24.1 U5.10 U12.9 | length 608.3
  Top Layer w6: TP24.1@-535.43,448.82 -527.56,456.69 v1(-488.19,456.69) -478.22,456.69 -454.72,480.18 U12.9@-454.72,500 ; v1(-232.28,618.11) -212.6,598.43 U5.10@-177.17,598.43
  Mid Layer 2 (SIG) w6: v1(-488.19,456.69) -318.9,456.69 -228.35,547.24 -204.72,547.24 -188.98,562.99 -188.98,600.8 -206.29,618.11 v1(-232.28,618.11)